# Altium PCB 英雄云台V1.施佳良.PcbDoc
Units mil, origin at the board's own origin, x right, y up, seen from the top; angles counter-clockwise.
Board outline 3857 x 2773 mil, 2 copper layers (Top Layer, Bottom Layer); 99 components, 68 nets, 339 pads, 894 vias.
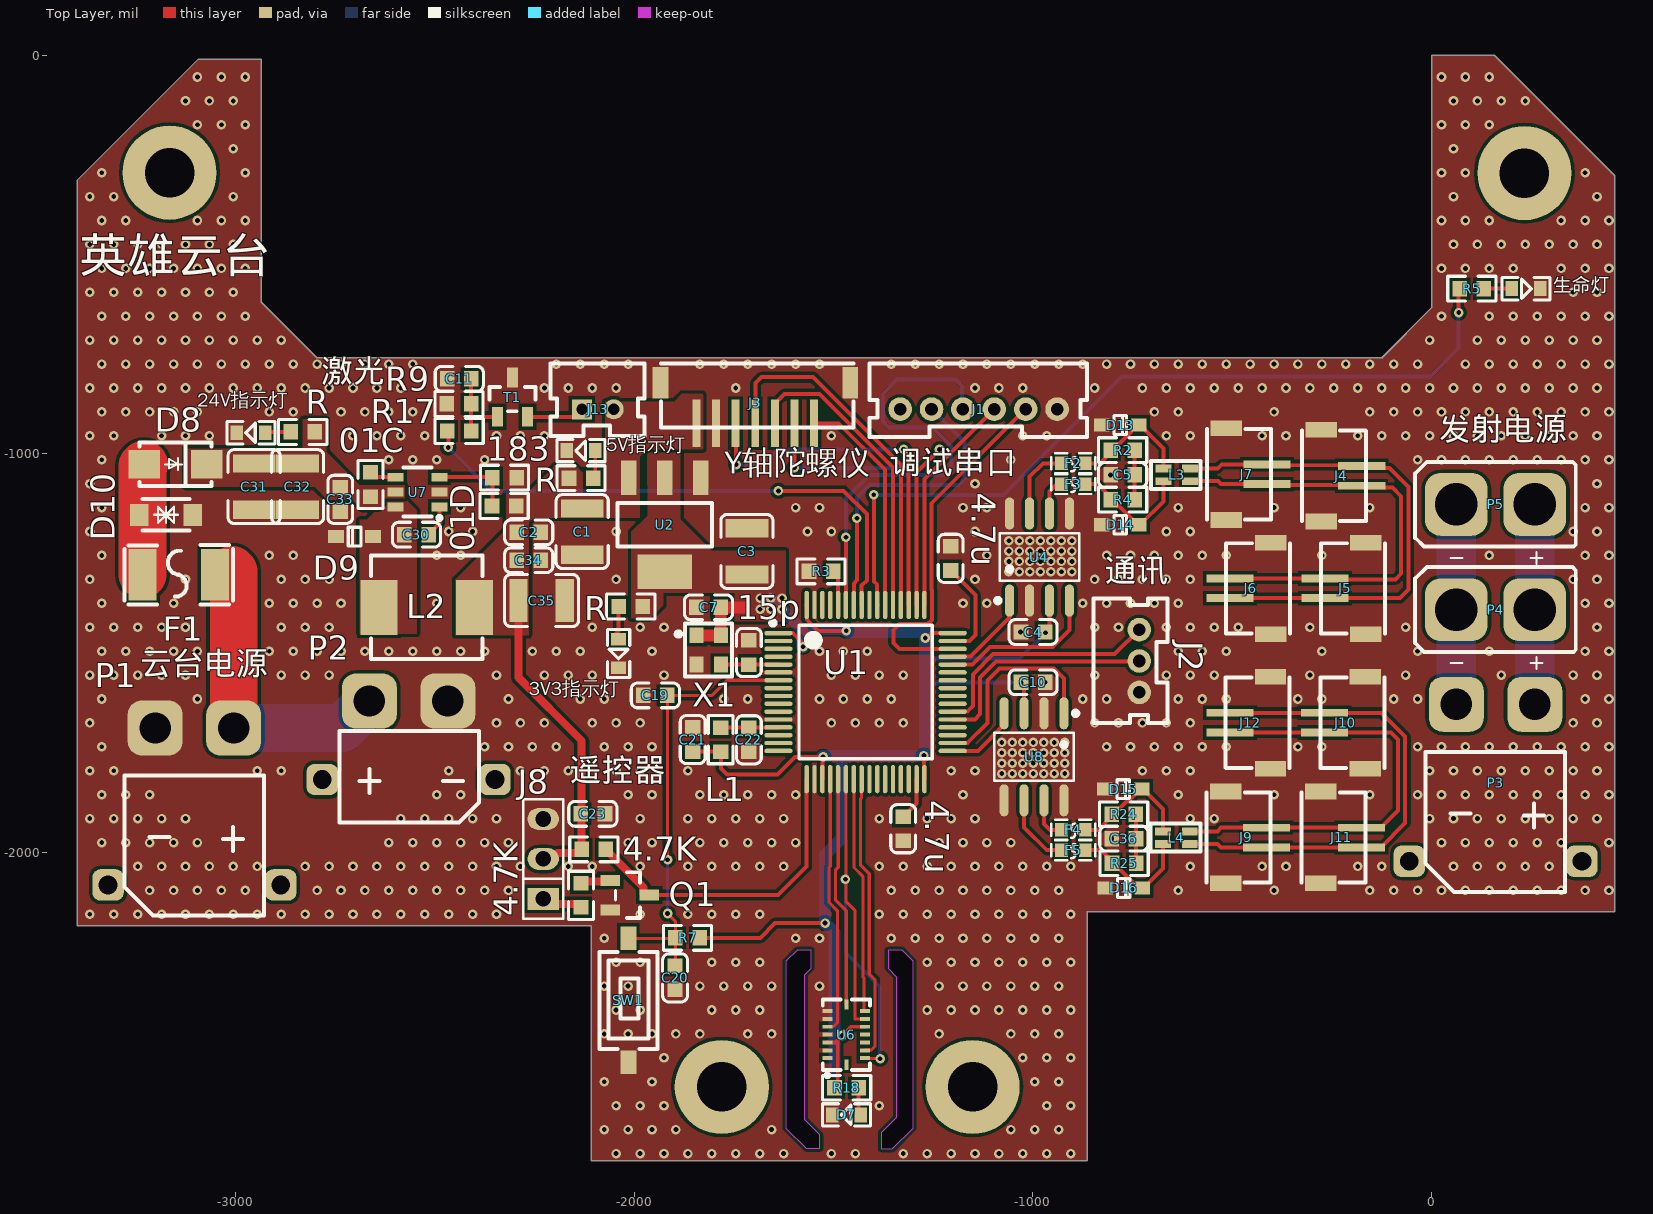
[diagram p0: Top Layer view]
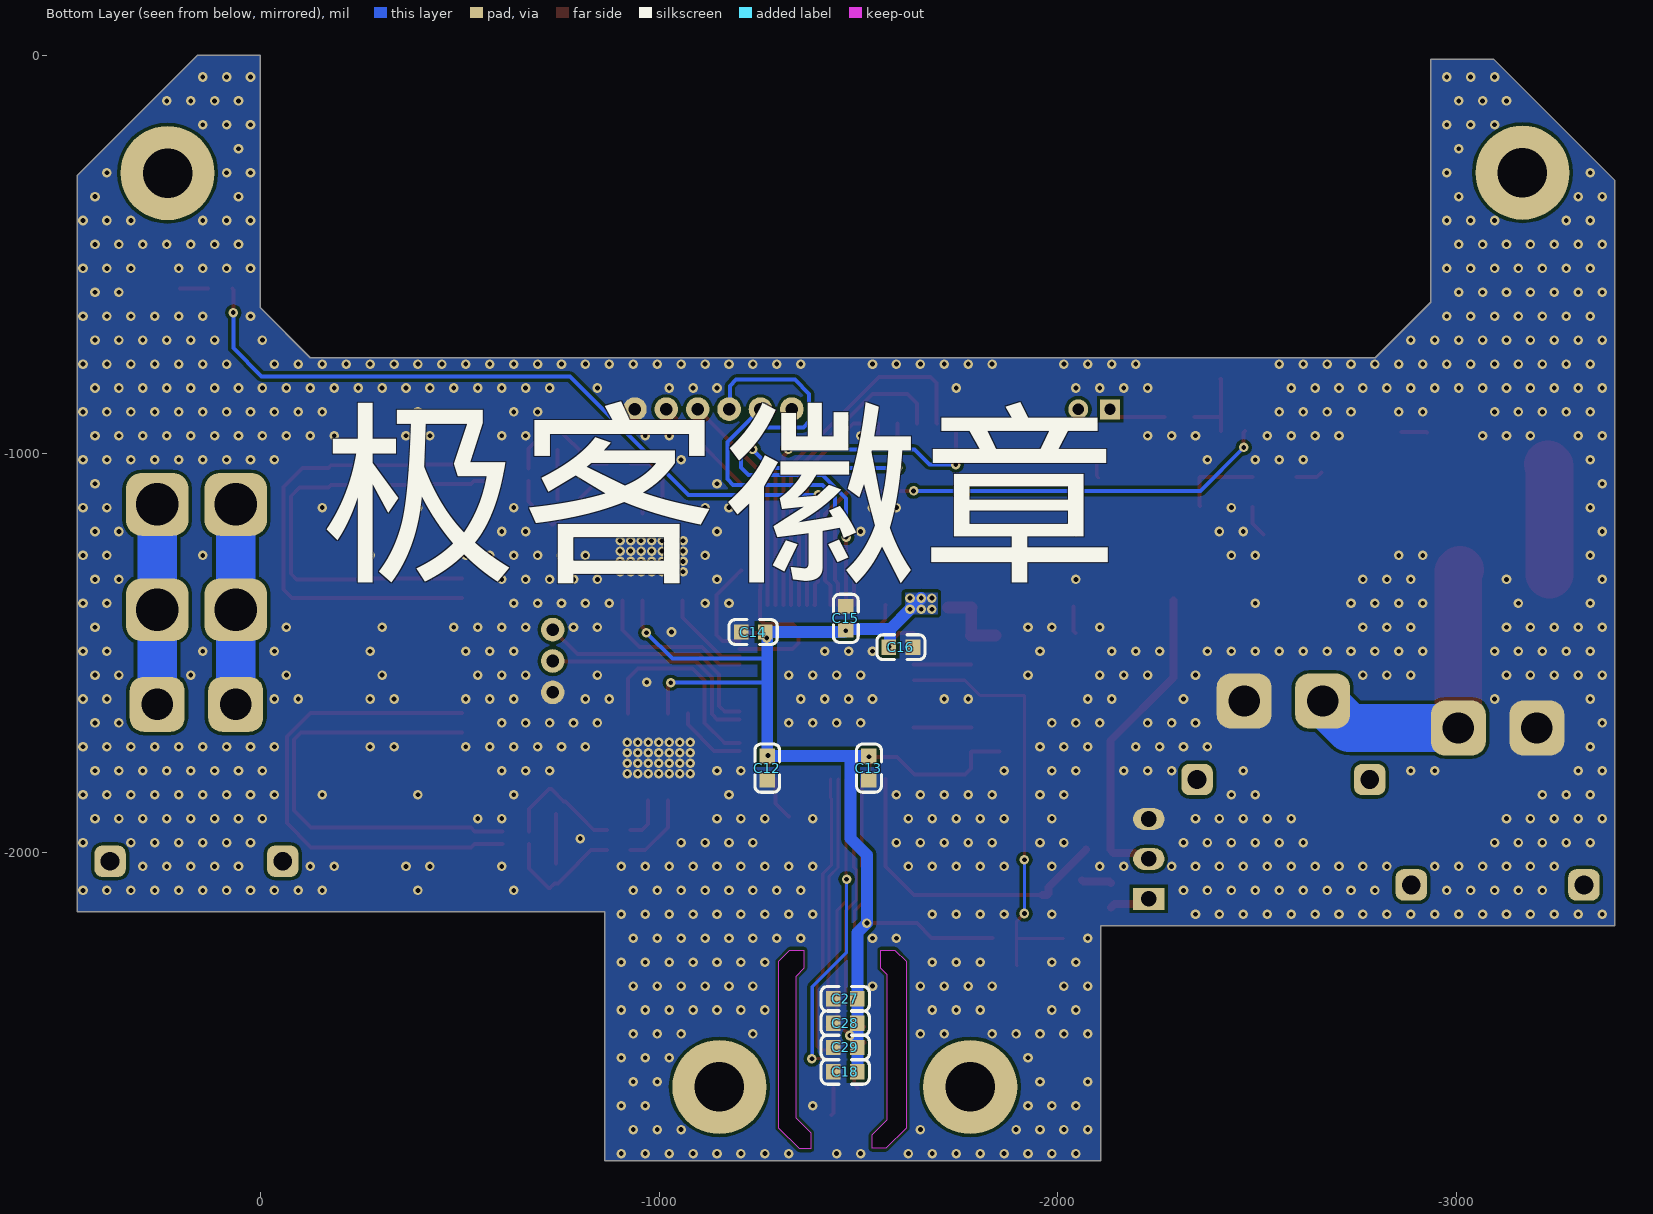
[diagram p1: Bottom Layer view, seen from below]
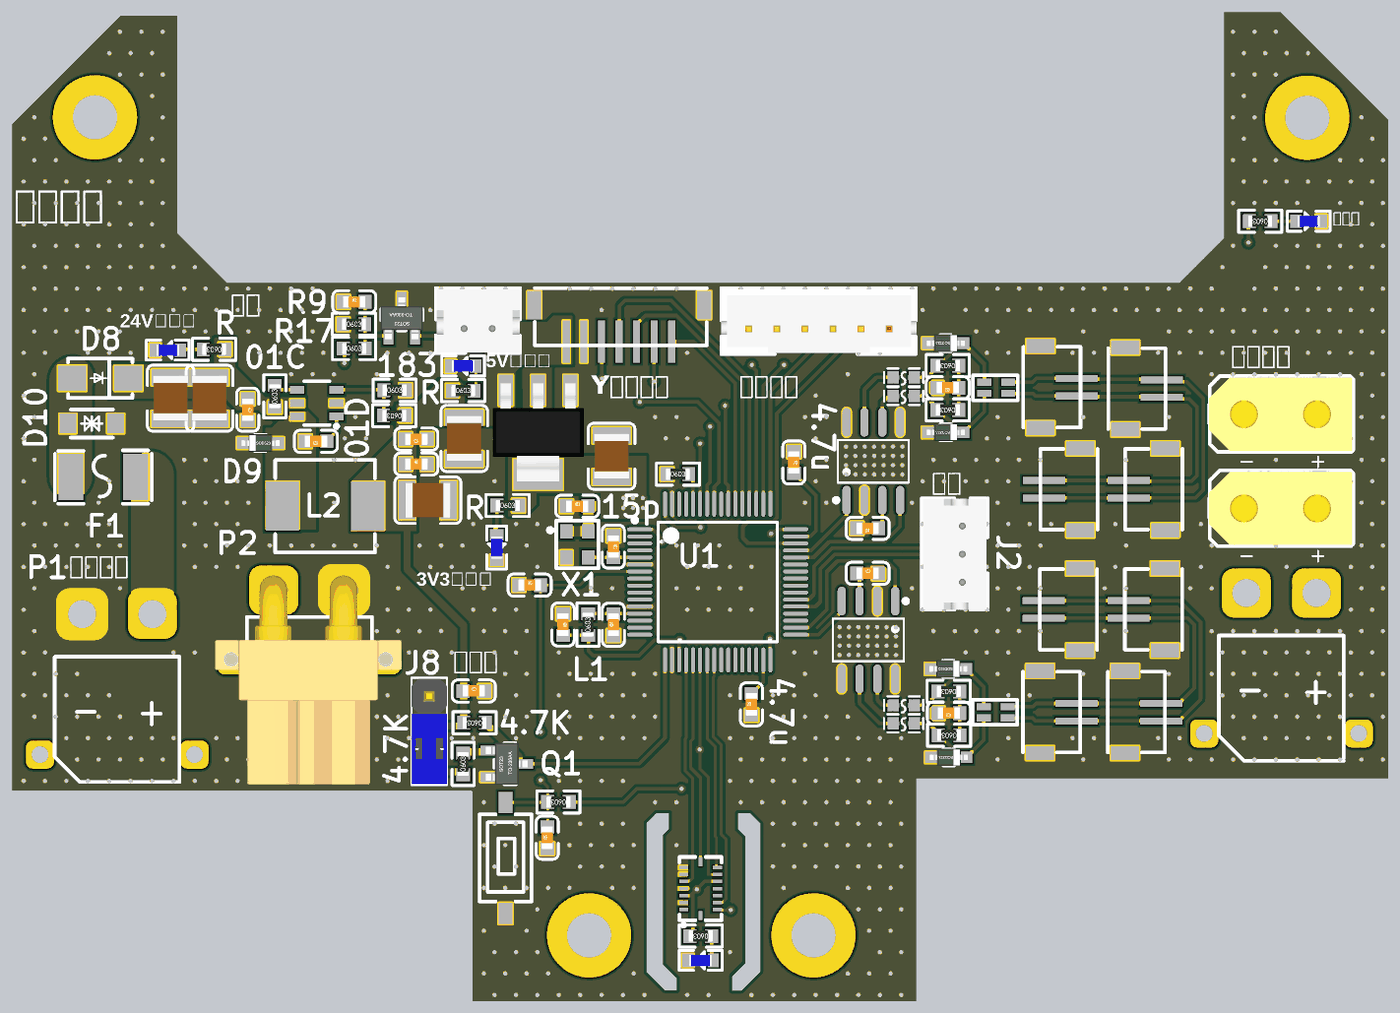
[diagram p2: 3D render of the assembled board from above, using the file's embedded part models]
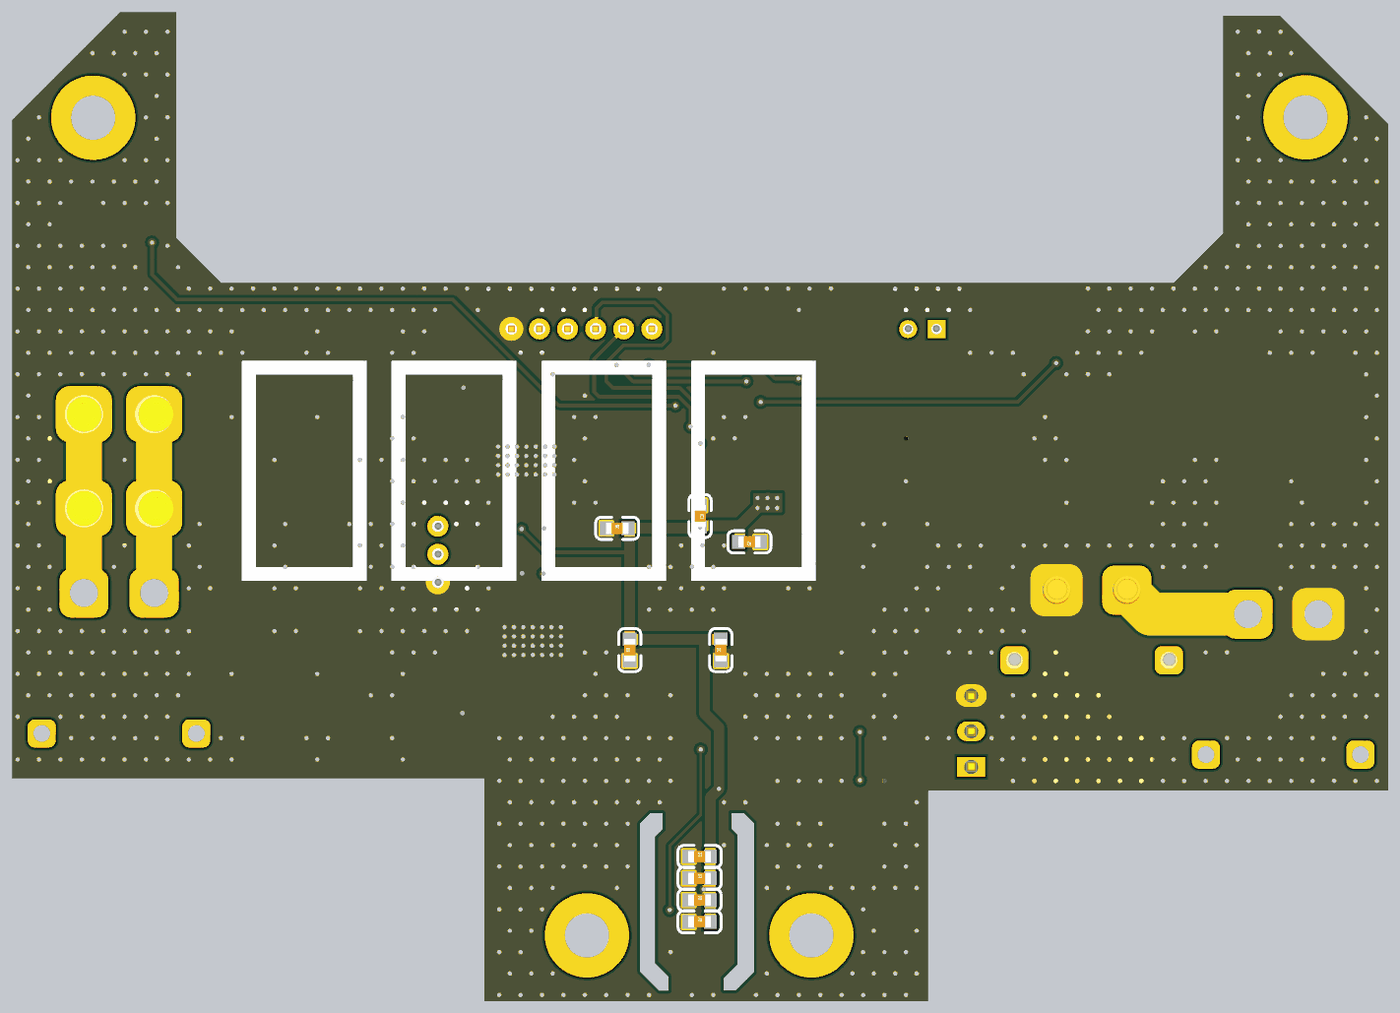
[diagram p3: 3D render of the assembled board from below, using the file's embedded part models]

## Layer stack, top to bottom
Top Solder: solder mask 0.4, Solder Resist, Dk 3.5
Top Layer: signal copper 1.4
Dielectric 1: dielectric 12.6, FR-4, Dk 4.8
Bottom Layer: signal copper 1.4
Bottom Solder: solder mask 0.4, Solder Resist, Dk 3.5

## Board outline
-2796,-759 -2920,-635 -2935,-620 -2935,-10 -3092.48,-10 -3397,-314.52 -3397,-2184 -2107,-2184 -2107,-2773 -864,-2773 -864,-2148 460,-2148 460,-302.52 157.48,0 0,0 0,-634 -125,-759
cut-out: -1556,-2290 -1556,-2245 -1591,-2245 -1619,-2273 -1619,-2691 -1568,-2742 -1534,-2742 -1534,-2708 -1572,-2670 -1572,-2306
cut-out: -1363,-2245 -1363,-2290 -1342,-2311 -1342,-2665 -1380,-2703 -1380,-2743 -1352,-2743 -1300,-2691 -1300,-2273 -1328,-2245

## Design rules (kind name [scope] priority, off if disabled: settings)
Clearance [All] p1: gap=8 ignorepadtopadclearanceinfootprint=FALSE
PlaneConnect [All] p1: planeconnectstyle=Direct reliefexpansion=20 reliefentries=4 reliefconductorwidth=10 reliefairgap=10
PolygonConnect [All] p1: connectstyle=Direct reliefconductorwidth=10 reliefentries=4 polygonreliefangle="90 Angle" airgapwidth=10
RoomDefinition 英雄云台V1.施佳良 [InComponentClass('英雄云台V1.施佳良')] p1: confinementstyle=ConfineIn formatcopy=TRUE lockcomponents=FALSE outline -9005,-10795 -7005,-10795 -7005,-9795 -9005,-9795
RoutingVias [All] p1: holewidth=12 width=24 viastyle="Through Hole" minholewidth=12 minwidth=24 maxholewidth=12 maxwidth=24
SolderMaskExpansion [All] p1: expansion=4 istentingtop=FALSE
Width [All] p1: maxlimit=200 minlimit=8 preferedwidth=10
29 further rules are at their usual default settings.

## Components (designator, comment, footprint, x,y, rotation, side; value= is the part's Value field where it differs from the comment)
01C "10K" 0603_R -2661,-1077 r90 top (schematic designator R19)
01D "100K" 0603_R -2326,-1131 r180 top (schematic designator R21)
3V3指示灯 "LED0" LED-0603 -2041,-1499 r270 top (schematic designator D1)
4.7K "4.7KΩ (4701) ±1%" 0603_R -2133,-2107.32 r90 top (schematic designator R8)
4.7K "4.7KΩ (4701) ±1%" 0603_R -2101,-1992 r180 top (schematic designator R6)
4.7u "4.7uF (475) 20% 10V" 0603_C -1325,-1940 r90 top (schematic designator C9)
4.7u "4.7uF (475) 20% 10V" 0603_C -1206,-1262.63 r270 top (schematic designator C8)
5V指示灯 "LED" LED-0603 -2131,-990 r180 top (schematic designator D12)
15p "15pF (150) 5% 50V" 0603_C -1712,-1498.63 r270 top (schematic designator C6)
24V指示灯 "LED" LED-0603 -2958.89,-945.19 r180 top (schematic designator D11)
183 "18K" 0603_R -2325,-1060 r0 top (schematic designator R23)
C1 "?uF" 1210_C -2130,-1195 r90 top
C2 "?uF" 0603_C -2264.63,-1197 r180 top
C3 "?uF" 1210_C -1717,-1245 r270 top
C4 "100nF (104) 10% 16V" 0603_C -999.63,-1447 r180 top
C5 "10pF" 0603_C -775,-1053 r180 top
C7 "100nF (104) 10% 16V" 0603_C -1813,-1385 r0 top
C10 "100nF (104) 10% 16V" 0603_C -999,-1573 r0 top
C11 "100nF" 0603_C -2438,-812 r0 top
C12 "4.7uF (475) 10% 16V" 0603_C -1271,-1788 r90 bottom
C13 "100nF (104) 10% 16V" 0603_C -1526,-1788 r90 bottom
C14 "100nF (104) 10% 16V" 0603_C -1236,-1447 r180 bottom
C15 "100nF (104) 10% 16V" 0603_C -1468,-1413 r270 bottom
C16 "100nF (104) 10% 16V" 0603_C -1606,-1485 r0 bottom
C18 "1uF (105) 10% 50V" 0603_C -1466.94,-2550 r180 bottom
C19 "4.7uF (475) 10% 16V" 0603_C -1946.37,-1606 r0 top
C20 "100nf" 0603_C -1897.3,-2314 r90 top
C21 "100nF (104) 10% 16V" 0603_C -1853,-1717 r270 top
C22 "100nF (104) 10% 16V" 0603_C -1712,-1717 r90 top
C23 "1uF (105) 10% 50V" 0603_C -2103,-1903 r0 top
C27 "100nF" 0603_C -1466.94,-2367.04 r180 bottom
C28 "100nF" 0603_C -1466.94,-2428.03 r180 bottom
C29 "100nF" 0603_C -1466.94,-2489.01 r180 bottom
C30 "100nF" 0603_C -2546,-1203 r180 top
C31 "10uF" 1210_C -2952.89,-1082.16 r270 top
C32 "10uF" 1210_C -2843.89,-1082.16 r270 top
C33 "100nF" 0603_C -2736.89,-1114.76 r270 top
C34 "100nF" 0603_C -2264,-1267 r0 top
C35 "10uF" 1210_C -2232.03,-1368 r0 top
C36 "10pF" 0603_C -771.94,-1965.06 r180 top
D7 "LED0" LED-0603 -1465.43,-2656 r180 top
D8 "防反接" "二极管 SMAJ24A" -3161.89,-1051.19 r180 top
D9 "SS34" SOD-323 -2701,-1208 r0 top
D10 "TVS" "TVS SOD-123FL_L2.8-W1.8-LS3.7-BI" -3173.89,-1153.19 r0 top
D13 "TVS" "TVS SOD-323" -780.46,-928 r180 top
D14 "TVS" "TVS SOD-323" -780.46,-1178 r180 top
D15 "TVS" "TVS SOD-323" -773,-1841 r180 top
D16 "TVS" "TVS SOD-323" -772,-2089 r180 top
F1 "0.2A" "保险丝 F1812" -3141.89,-1303.19 r180 top
F2 "保险丝" "保险丝 F0603" -898.35,-1024 r0 top
F3 "保险丝" "保险丝 F0603" -898.35,-1076 r0 top
F4 "保险丝" "保险丝 F0603" -898.35,-1943 r0 top
F5 "保险丝" "保险丝 F0603" -898.35,-1994 r0 top
J1 "PH6PIN" "PH 6P(DIP)" -1332.74,-888 r0 top
J2 "PH3PIN" "PH 3P(DIP)" -733,-1598.48 r90 top
J3 "GH7PIN" "GH 7P 1.25mm 立 贴" -1843.85,-931.46 r0 top
J4 "GH 2p" "GH 2P 立" -277.06,-1170 r270 top
J5 "GH 2p" "GH 2P 立" -165,-1222.79 r90 top
J6 "GH 2p" "GH 2P 立" -402.94,-1222.79 r90 top
J7 "GH 2p" "GH 2P 立" -515,-1166 r270 top
J8 "排针" SIP3 -2228,-2116 r90 top
J9 "GH 2p" "GH 2P 立" -516,-2077 r270 top
J10 "GH 2p" "GH 2P 立" -166,-1559.57 r90 top
J11 "GH 2p" "GH 2P 立" -278.06,-2077 r270 top
J12 "GH 2p" "GH 2P 立" -403.94,-1559.57 r90 top
J13 "PH 2P" "PH 2P(DIP)" -2131,-888.46 r0 top
L1 "LPS4018-333MLB" 0603_R -1783,-1717 r90 top value=33uH
L2 "LPS4018-333MLB" "电感 (IND-SMD_L7.1-W6.6)" -2520,-1390 r0 top value=33uH
L3 "共模电感 0603" "共模电感 IND-SMD_4P-L2.0-W1.2" -639,-1053 r0 top
L4 "共模电感 0603" "共模电感 IND-SMD_4P-L2.0-W1.2" -640,-1962.75 r0 top
P1 "XT30" XT30PW公 -3200.96,-1687.65 r180 top
P2 "XT30" "XT30 cewo" -2663.89,-1620.15 r180 top
P3 "XT30" XT30PW公 62.11,-1628.3 r180 top
P4 "XT30" 真对线XT30 159.87,-1412 r90 top
P5 "XT30" 真对线XT30 159.87,-1148 r90 top
Q1 "SS8050 Y1" SOT-23(SOT-23-3) -2011,-2107 r0 top
R "10K" 0603_R -2133,-1061 r0 top (schematic designator R22)
R "100K" 0603_R -2830.89,-945.19 r180 top (schematic designator R20)
R "10k" 0603_R -2008.32,-1383 r0 top (schematic designator R1)
R2 "60R" 0603_R -774.68,-991 r180 top
R3 "10KΩ (1002) ±1%" 0603_R -1531,-1295 r0 top
R4 "60R" 0603_R -774.68,-1115 r180 top
R5 "10k" 0603_R 101,-586 r180 top
R7 "4.7KΩ (4701) ±1%" 0603_R -1866,-2214 r180 top
R9 "Res" 0603_R -2439,-875 r0 top
R17 "Res" 0603_R -2438.69,-943 r0 top
R18 "10k" 0603_R -1467,-2590 r180 top
R24 "60R" 0603_R -772,-1904 r180 top
R25 "60R" 0603_R -771,-2027 r180 top
SW1 "SW-PB" 按键 -2002,-2326 r270 top
T1 "SS8050" SOT_23 -2305,-858 r270 top
U1 "STM32F405RGT6" LC-LQFP-64_10x10x05P -1419.5,-1597.53 r90 top
U2 "AMS1117" SOT-223 -1923,-1178 r90 top
U4 "MAX3051EKA+T" SOIC-8_L4.9-W3.9-P1.27-LS6.0-BL -983.25,-1259 r0 top
U6 "dmi088" DMI088 -1502.76,-2726.76 r90 top
U7 "LMR16006" "开关电源 (LMR16006)" -2558.35,-1101.01 r90 top
U8 "MAX3051EKA+T" SOIC-8_L4.9-W3.9-P1.27-LS6.0-BL -997,-1760 r180 top
X1 "8MHz" OSC-SMD_4P-L2.5-W2.0-BL -1813,-1492.02 r270 top
生命灯 "LED0" LED-0603 235,-588 r0 top (schematic designator D2)

## Footprints (in the part's own frame and the unit in brackets; to place one, negate y for a bottom-side part, rotate by r counter-clockwise, add the part's x,y. Pads: shape width x height; smd on the part's side, far side on the other; paste and mask are expansions set on the pad)
0603_C [mm]
  rect 0.93x0.98 smd: 1(-0.778,0) 2(0.762,0)
  silkscreen extent -1.54,-0.79 1.53,0.79, body extent -0.81,-0.4 0.79,0.4, height 0.3
0603_R [mm]
  rect 0.93x0.98 smd: 1(-0.77,0) 2(0.77,0)
  silkscreen extent -1.53,-0.79 1.54,0.79, body extent -0.85,-0.4 0.85,0.4, height 0.56
1210_C [mm]
  rect 1.16x2.72 smd: 1(-1.475,0) 2(1.475,0)
  silkscreen extent -2.35,-1.66 2.36,1.66, body extent -1.6,-1.25 1.6,1.25, height 1.3
DMI088 [mm]
  rect 0.25x0.65 smd: 1(5.36,0.311) 2(5.86,0.311) 3(6.36,0.311) 4(6.86,0.311) 5(7.36,0.311) 6(7.86,0.311) 7(8.36,0.311) 9(8.36,-2.089) 10(7.86,-2.089) 11(7.36,-2.089) 12(6.86,-2.089) 13(6.36,-2.089) 14(5.86,-2.089) 15(5.36,-2.089)
  rect 0.65x0.25 smd: 8(8.773,-0.889) 16(4.943,-0.889)
  silkscreen extent 4.15,-2.39 9.11,0.61
"GH 2P 立" [mm] "1.25MM"
  rect 1x2 smd: 0(-5.842,0) 0(0,0)
  rect 0.5x3 smd: 1(-2.286,2.591) 2(-3.536,2.591)
  silkscreen extent -5.79,-1.22 -0.04,2.86
"GH 7P 1.25mm 立 贴" [mm] "1.25mm"
  rect 1x2 smd: 0(-2.286,2.794) 0(9.806,2.794)
  rect 0.5x3 smd: 1(0,0.203) 2(1.25,0.203) 3(2.5,0.203) 4(3.75,0.203) 5(5,0.203) 6(6.25,0.203) 7(7.5,0.203)
  silkscreen extent -2.24,-0.06 10,4.01
LC-LQFP-64_10x10x05P [mm] "LC-LQFP-64_10x10x05P"
  oval 0.28x1.8 smd mask+0.051: 1(3.75,5.55) 2(3.25,5.55) 3(2.75,5.55) 4(2.25,5.55) 5(1.75,5.55) 6(1.25,5.55) 7(0.75,5.55) 8(0.25,5.55) 9(-0.25,5.55) 10(-0.75,5.55) 11(-1.25,5.55) 12(-1.75,5.55) 13(-2.25,5.55) 14(-2.75,5.55) 15(-3.25,5.55) 16(-3.75,5.55) 33(-3.75,-5.55) 34(-3.25,-5.55) 35(-2.75,-5.55) 36(-2.25,-5.55) 37(-1.75,-5.55) 38(-1.25,-5.55) 39(-0.75,-5.55) 40(-0.25,-5.55) 41(0.25,-5.55) 42(0.75,-5.55) 43(1.25,-5.55) 44(1.75,-5.55) 45(2.25,-5.55) 46(2.75,-5.55) 47(3.25,-5.55) 48(3.75,-5.55)
  oval 1.8x0.28 smd mask+0.051: 17(-5.55,3.75) 18(-5.55,3.25) 19(-5.55,2.75) 20(-5.55,2.25) 21(-5.55,1.75) 22(-5.55,1.25) 23(-5.55,0.75) 24(-5.55,0.25) 25(-5.55,-0.25) 26(-5.55,-0.75) 27(-5.55,-1.25) 28(-5.55,-1.75) 29(-5.55,-2.25) 30(-5.55,-2.75) 31(-5.55,-3.25) 32(-5.55,-3.75) 49(5.55,-3.75) 50(5.55,-3.25) 51(5.55,-2.75) 52(5.55,-2.25) 53(5.55,-1.75) 54(5.55,-1.25) 55(5.55,-0.75) 56(5.55,-0.25) 57(5.55,0.25) 58(5.55,0.75) 59(5.55,1.25) 60(5.55,1.75) 61(5.55,2.25) 62(5.55,2.75) 63(5.55,3.25) 64(5.55,3.75)
  silkscreen extent -4.25,-4.25 4.55,6.05
LED-0603 [mm]
  rect 0.8x0.95 smd: 1(-0.849,0.051) 2(0.951,0.051)
  silkscreen extent -1.47,-0.66 1.57,0.76, body extent -0.75,-0.34 0.85,0.46, height 0.8
OSC-SMD_4P-L2.5-W2.0-BL [mm]
  rect 1x0.9 smd: 1(-0.93,-0.78) 2(0.93,-0.78) 3(0.93,0.78) 4(-0.93,0.78)
  silkscreen extent -1.7,-2.08 1.7,1.5
"PH 2P(DIP)" [mil]
  round 50 hole 28: 1(80,0)
  rect 50x50 hole 28: 2(0,0)
  silkscreen extent -79,-67 157,115, body extent -76,-66 156,112, height 236
"PH 3P(DIP)" [mm]
  round 1.5 hole 0.8: 1(4,0) 2(2,0) 3(0,0)
  silkscreen extent -1.95,-1.79 5.98,2.91, body extent -1.94,-1.68 5.96,2.82, height 6
"PH 6P(DIP)" [mm]
  round 1.5 hole 0.8: 1(10,0) 2(8,0) 3(6,0) 4(4,0) 5(2,0) 6(0,0)
  silkscreen extent -1.95,-1.79 11.9,2.91, body extent -1.95,-1.7 11.95,2.8, height 6
SIP3 [mm]
  rect 1.4x2 hole 1: 1(0,0)
  oval 1.4x2 hole 1: 2(2.54,0) 3(5.08,0)
  silkscreen extent -1.27,-1.27 6.35,1.27, body extent -1.21,-1.25 6.29,1.25, height 16.31
SOD-323 [mm]
  rect 1x0.83 smd: 1(1.18,0) 2(-1.18,0)
  silkscreen extent -0.4,-0.6 0.4,0.6, body extent -1.35,-0.62 1.35,0.63, height 1.1
SOIC-8_L4.9-W3.9-P1.27-LS6.0-BL [mm]
  oval 0.588x2.045 smd: 1(-1.905,-2.773) 2(-0.635,-2.773) 3(0.635,-2.773) 4(1.905,-2.773) 5(1.905,2.773) 6(0.635,2.773) 7(-0.635,2.773) 8(-1.905,2.773)
  silkscreen extent -2.8,-2.92 2.53,1.52
SOT-23(SOT-23-3) [mm]
  rect 1.25x0.7 smd: 1(-1.25,0.95) 2(-1.25,-0.95) 3(1.25,0)
  silkscreen extent -0.9,-1.46 0.65,1.46, body extent -1.5,-1.5 1.5,1.5, height 1.3
SOT-223 [mm]
  rect 2.2x1 smd: 1(3,-2.3) 2(3,0) 3(3,2.3)
  rect 2.2x3.5 smd: 2(-3,0)
  silkscreen extent -1.4,-3 1.4,3, body extent -3.49,-3.24 3.49,3.24, height 1.64
SOT_23 [mm]
  rect 1.25x0.7 smd: 1(1.25,-0.95) 2(-1.25,0) 3(1.25,0.95)
  silkscreen extent -0.65,-1.46 0.9,1.46, body extent -1.5,-1.5 1.5,1.5, height 1.3
"TVS SOD-123FL_L2.8-W1.8-LS3.7-BI" [mm]
  rect 1.2x1.4 smd: 1(-1.7,0) 2(1.7,0)
  silkscreen extent -1.5,-1 1.5,1
"TVS SOD-323" [mm]
  rect 1x0.83 smd: 1(-1.18,0) 2(1.18,0)
  silkscreen extent -0.4,-0.6 0.4,0.6, body extent -1.35,-0.62 1.35,0.63, height 1.1
"XT30 cewo" [mm]
  rrect50% 2x2 hole 1.2: 0(-8,5) 0(3,5)
  rrect50% 3.5x3.5 hole 2: 1(0,0) 2(-5,0)
  silkscreen extent -6.99,1.9 1.9,7.75, body extent -9.11,-1.06 4.19,13.84, height 5
XT30PW公 [mm]
  rrect50% 2x2 hole 1.2: 0(-8,10) 0(3,10)
  rrect50% 3.5x3.5 hole 2: 1(-5,0) 2(0,0)
  silkscreen extent -6.93,3.02 1.96,11.95, body extent -7.42,2.78 2.43,12.13, height 5
"二极管 SMAJ24A" [mm]
  rect 2x1.8 smd: 1(-2.302,-0.632) 2(1.698,-0.632)
  silkscreen extent -2.6,-2.03 2,0.77
"保险丝 F0603" [mil]
  rect 31.75x34.02 smd: 1(-29.65,0) 2(29.66,0)
  silkscreen extent -55,-25 55,25
"保险丝 F1812" [mm]
  rect 1.78x3.3 smd: 1(-2.305,0) 2(2.305,0)
  silkscreen extent -3.45,-1.9 3.45,1.9
"共模电感 IND-SMD_4P-L2.0-W1.2" [mm]
  rect 1x0.5 smd: 1(-0.85,-0.4) 2(0.85,-0.4) 3(0.85,0.4) 4(-0.85,0.4)
  silkscreen extent -1.65,-0.89 1.52,0.89
"开关电源 (LMR16006)" [mm]
  rect 0.55x1 smd: 1(-0.823,-1.786) 2(0.127,-1.786) 3(1.077,-1.786) 4(1.077,1.014) 5(0.127,1.014) 6(-0.823,1.014)
  silkscreen extent -1.65,-1.91 1.68,0.51
按键 [mm]
  rect 1.5x1 smd: 1(-2.806,-0.309) 2(5.094,-0.309)
  silkscreen extent -1.96,-2.16 4.24,1.54
"电感 (IND-SMD_L7.1-W6.6)" [mm]
  rect 2.35x3.5 smd: 1(-3.035,0.127) 2(3.035,0.127)
  silkscreen extent -3.55,-3.17 3.55,3.43
真对线XT30 [mm]
  rrect50% 4x4 hole 2.7: 1(0.533,-2.517) 2(0.533,2.483)